# Altium PCB 控制板.PcbDoc (part 1 of 12) (continued)
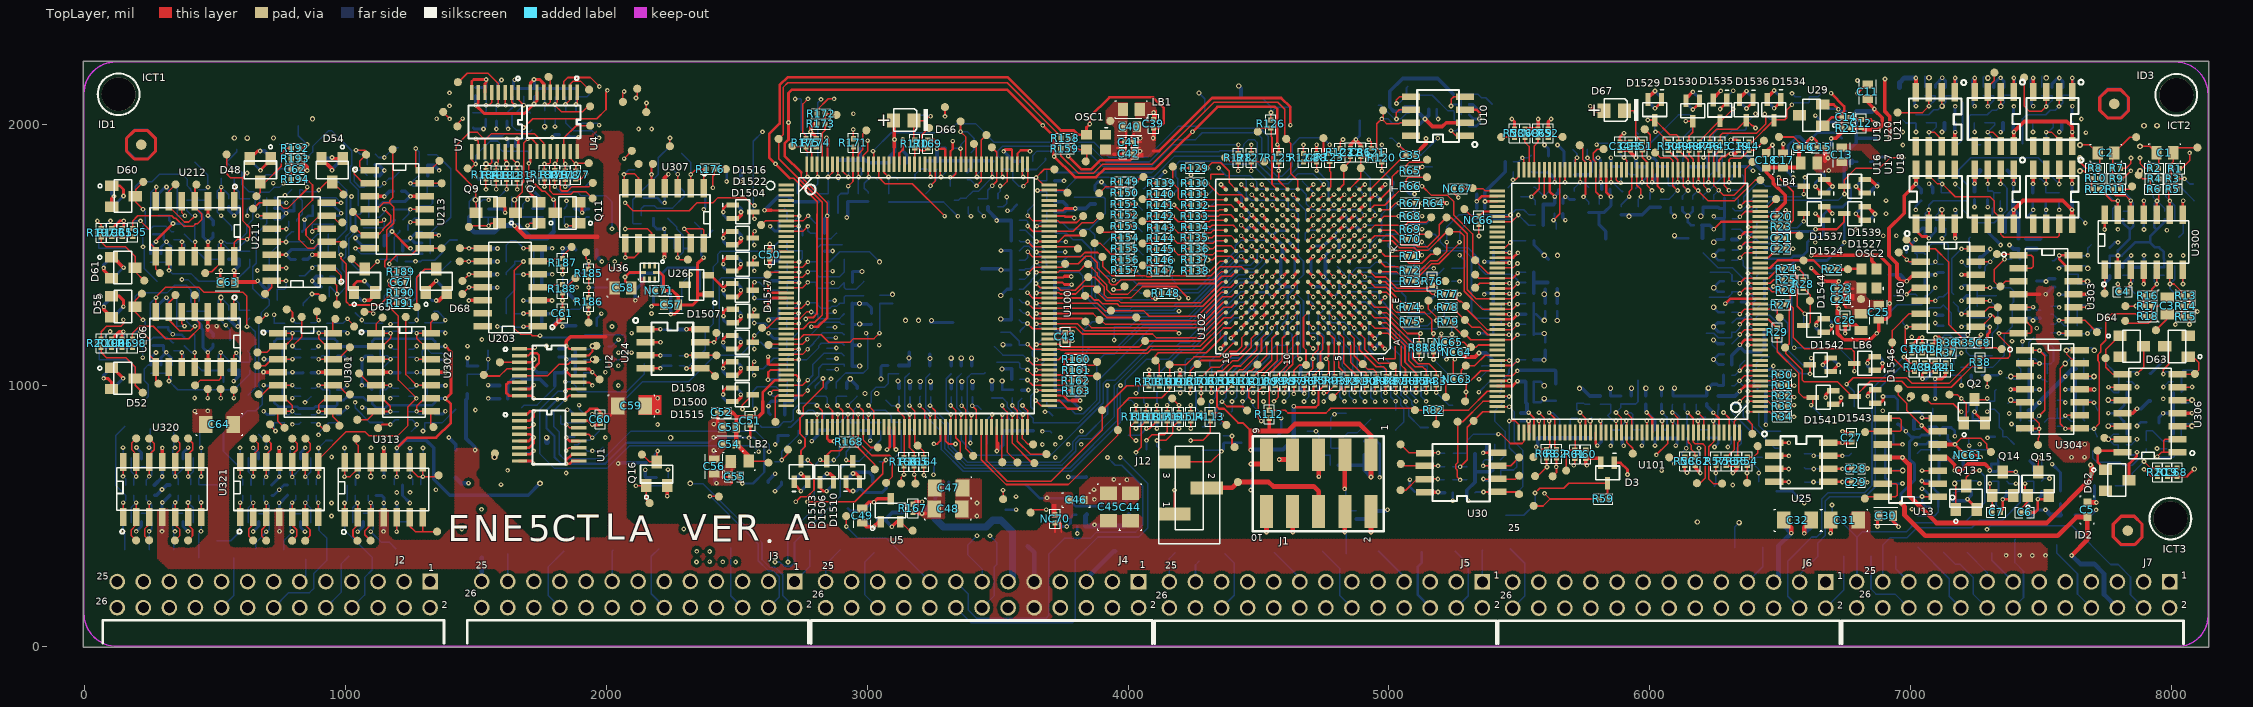
[diagram p0: TopLayer view]
## Components (designator, comment, footprint, x,y, rotation, side; value= is the part's Value field where it differs from the comment) (continued)
C353 "2.2nF" C0402 2661.5,1064.6 r0 bottom
C354 "2.2nF" C0402 2660.3,1180.5 r0 bottom
C355 "2.2nF" C0402 2660.7,1255.5 r0 bottom
C356 "2.2nF" C0402 2661.5,1294.2 r0 bottom
C357 "2.2nF" C0402 2661.9,1401.7 r0 bottom
C358 "120nH" C0603 2416.5,660.9 r90 bottom
C359 "1nF" C0402 2192.8,616.3 r90 bottom
C360 "24PF" C0402 2247.8,1075.9 r0 bottom
C361 "24PF" C0402 2247.4,1115 r0 bottom
C362 "100nF" C0402 2246.9,1214.6 r0 bottom
C363 "100nF" C0402 2180.7,1379.6 r0 bottom
C364 "6.8uF" C1206 2112.8,1262.1 r0 bottom
C365 "100nF" C0402 2263.2,1525.5 r0 bottom
C366 "100nF" C0402 2223.2,1535 r90 bottom
C367 "1uF" "C0603 - duplicate" 2235.7,1641.7 r180 bottom
C368 "100nF" C0402 2223.6,1771.3 r270 bottom
C369 "100PF" C0402 2183.6,1720.9 r270 bottom
C370 "10uF" C0603 2461.5,1825.9 r0 bottom
C371 "1nF" C0402 1876.9,773 r90 bottom
C372 "1nF" C0402 1876.9,858.4 r90 bottom
C373 "1nF" C0402 1912.4,1049.2 r180 bottom
C374 "1nF" C0402 1912.8,1099.6 r180 bottom
C375 "1nF" C0402 1912.4,1139.6 r180 bottom
C376 "1nF" C0402 1803.2,1049.6 r180 bottom
C377 "100nF" C0402 1816.9,1140.5 r270 bottom
C378 "100nF" C0402 1691.9,739.6 r270 bottom
C379 "100nF" C0402 1692.4,989.6 r270 bottom
C380 "6.8uF" C1206 1421.9,646.7 r0 bottom
C381 "51PF" C0402 1832.4,1455 r90 bottom
C382 "1nF" C0402 1933.6,1646.3 r90 bottom
C383 "100nF" C0402 1721.9,1325.5 r0 bottom
C384 "100PF" C0402 1721.9,1425.9 r0 bottom
C385 "100PF" C0402 1722.8,1525.9 r0 bottom
C386 "9.09K" C0402 1647.8,1475.5 r180 bottom
C387 "1nF" C0402 1717.8,1678.4 r270 bottom
C388 "1nF" C0402 1583.2,1677.5 r270 bottom
C389 "10nF" C0402 1883.2,1822.5 r270 bottom
C390 "10nF" C0402 1843.2,1823 r270 bottom
C391 "10nF" C0402 1803.2,1823.4 r270 bottom
C392 "10nF" C0402 1762.8,1823 r270 bottom
C393 "1nF" C0402 1658.2,1823.4 r270 bottom
C394 "10nF" C0402 1618.2,1823 r270 bottom
C395 "10nF" C0402 1577.8,1823.8 r270 bottom
C396 "1nF" C0402 1538.2,1823.8 r270 bottom
C397 "100nF" C0402 1819.4,1961.7 r0 bottom
C398 "100nF" C0402 1622.4,1917.1 r0 bottom
C399 "10nF" C0402 1884,2107.5 r90 bottom
C400 "10nF" C0402 1843.6,2107.1 r90 bottom
C401 "10nF" C0402 1803.6,2107.1 r90 bottom
C402 "10nF" C0402 1763.6,2106.7 r90 bottom
C403 "100nF" C0402 1724,2108 r90 bottom
C404 "1nF" C0402 1683.6,2108.8 r90 bottom
C405 "1nF" C0402 1643.6,2108.4 r90 bottom
C406 "1nF" C0402 1583.6,2109.2 r90 bottom
C407 "1nF" C0402 1539,2111.7 r90 bottom
C408 "100nF" C0402 1498.6,2111.3 r90 bottom
C409 "100nF" C0402 1147.8,478.4 r90 bottom
C410 "1nF" C0402 1218.2,618.8 r180 bottom
C411 "51PF" C0402 1117.8,578.8 r180 bottom
C412 "51PF" C0402 1028.2,513.8 r180 bottom
C413 "10nF" C0402 1247.8,719.6 r270 bottom
C414 "100nF" C0402 1147.8,718.8 r270 bottom
C415 "10nF" C0402 1343.2,890.5 r270 bottom
C416 "10nF" C0402 1342.8,1208.4 r90 bottom
C417 "1nF" C0402 1344,999.2 r180 bottom
C418 "100nF" C0402 1343.6,1048.8 r180 bottom
C419 "1nF" C0402 1343.6,1099.2 r180 bottom
C420 "100nF" C0402 1238.2,1049.6 r180 bottom
C421 "1nF" C0402 1133.2,984.2 r180 bottom
C422 "1nF" C0402 1134,1113.8 r180 bottom
C423 "10nF" C0402 1102.8,889.6 r270 bottom
C424 "10nF" C0402 1103.2,1208.8 r90 bottom
C425 "10nF" C0402 967.4,857.5 r90 bottom
C426 "51PF" C0402 897.8,513.8 r180 bottom
C427 "51PF" C0402 898.6,683.4 r180 bottom
C428 "51PF" C0402 808.6,579.2 r180 bottom
C429 "51PF" C0402 717.4,578.4 r180 bottom
C430 "51PF" C0402 807.8,618.8 r180 bottom
C431 "51PF" C0402 716.9,618.8 r180 bottom
C432 "51PF" C0402 627.4,513.8 r180 bottom
C433 "100nF" C0402 747.4,508.8 r270 bottom
C434 "100nF" C0402 747.4,718.8 r270 bottom
C435 "51PF" C0402 596.9,683.8 r0 bottom
C436 "51PF" C0402 415.7,513 r0 bottom
C437 "51PF" C0402 416.5,683.8 r0 bottom
C438 "51PF" C0402 326.5,579.2 r0 bottom
C439 "51PF" C0402 326.5,618.8 r0 bottom
C440 "100nF" C0402 296.9,478.4 r90 bottom
C441 "51PF" C0402 178.2,513.8 r180 bottom
C442 "51PF" C0402 267.8,578.8 r180 bottom
C443 "51PF" C0402 267.4,618.4 r180 bottom
C444 "100nF" C0402 296.9,718 r270 bottom
C445 "51PF" C0402 146.9,683 r0 bottom
C446 "6.8uF" C1206 1060.7,1048.8 r90 bottom
C447 "1nF" C0402 936.9,984.2 r0 bottom
C448 "1nF" C0402 937.8,1113.4 r0 bottom
C449 "10nF" C0402 967.4,1208.4 r90 bottom
C450 "10nF" C0402 726.9,857.5 r90 bottom
C451 "100nF" C0402 867.8,1049.2 r180 bottom
C452 "1nF" C0402 758.2,999.2 r180 bottom
C453 "100nF" C0402 757.4,1048.4 r180 bottom
C454 "1nF" C0402 758.6,1098.8 r180 bottom
C455 "10nF" C0402 726.9,1238.8 r270 bottom
C456 "100nF" C0402 492.4,1158.4 r90 bottom
C457 "100PF" C0402 452.4,1154.2 r180 bottom
C458 "51PF" C0402 432.4,1284.6 r270 bottom
C459 "100PF" C0402 332.4,1048 r90 bottom
C460 "51PF" C0402 302.4,1153 r90 bottom
C461 "51PF" C0402 142.8,1142.5 r90 bottom
C462 "100PF" C0402 352.8,1264.6 r180 bottom
C463 "100PF" C0402 282.8,1264.2 r180 bottom
C464 "9.09K" C0402 1324.4,1505.5 r180 bottom
C465 "100PF" C0402 1324.4,1585.9 r180 bottom
C466 "51PF" C0402 1229.4,1395 r180 bottom
C467 "51PF" C0402 1218.6,1554.6 r180 bottom
C468 "9.09K" C0402 1219.4,1635 r180 bottom
C469 "100PF" C0402 1218.6,1705.9 r270 bottom
C470 "100nF" C0402 1182.8,1745 r0 bottom
C471 "9.09K" C0402 1148.2,1504.6 r90 bottom
C472 "9.09K" C0402 1148.2,1574.6 r90 bottom
C473 "100PF" C0402 1107.8,1504.6 r90 bottom
C474 "100PF" C0402 1108.2,1574.6 r90 bottom
C475 "51PF" C0402 1119,1685.5 r180 bottom
C476 "51PF" C0402 933.2,1539.6 r180 bottom
C477 "100nF" C0402 839,1483.8 r180 bottom
C478 "100PF" C0402 913.6,1650.5 r270 bottom
C479 "100PF" C0402 914,1720 r270 bottom
C480 "100PF" C0402 802.8,1521.3 r90 bottom
C481 "51PF" C0402 833.6,1670 r180 bottom
C482 "51PF" C0402 823.6,1830.9 r180 bottom
C483 "100PF" C0402 728.6,1639.6 r180 bottom
C484 "100nF" C0402 492.4,1615.9 r270 bottom
C485 "100PF" C0402 421.9,1580 r0 bottom
C486 "51PF" C0402 432.4,1680 r90 bottom
C487 "100PF" C0402 354,1690.5 r180 bottom
C488 "100PF" C0402 283.2,1690.5 r180 bottom
C489 "9.09K" C0402 353.6,1650.5 r180 bottom
C490 "9.09K" C0402 283.6,1650.5 r180 bottom
C491 "9.09K" C0402 382.4,1610.9 r270 bottom
C492 "51PF" C0402 302.4,1610.9 r270 bottom
C493 "100PF" C0402 331.5,1505.5 r270 bottom
C494 "9.09K" C0402 251.9,1504.6 r270 bottom
C495 "51PF" C0402 143.2,1600 r270 bottom
C496 "100nF" C0402 4930.7,518.8 r270 bottom
C497 "220nH" C0603 6874.9,504.2 r0 bottom
C498 "6.8uF" C1206 6515.3,485 r270 bottom
D3 "BAT54SWT1G" SOT-323 5864.4,703.8 r180 top
D48 "LBAV199LT1G52" SOT23-3 713.2,1870 r180 top
D52 "LBAV199LT1G52" SOT23-3 102.8,1067.5 r270 top
D54 "LBAV199LT1G52" SOT23-3 988.6,1869.6 r180 top
D55 "LBAV199LT1G52" SOT23-3 103.2,1343 r270 top
D60 "LBAV199LT1G52" SOT23-3 103.6,1766.3 r270 top
D61 "LBAV199LT1G52" SOT23-3 102.8,1492.5 r270 top
D62 "LBAV199LT1G52" SOT23-3 7747.8,677.5 r270 top
D63 "LBAV199LT1G52" SOT23-3 8064.9,1110 r90 top
D64 "LBAV199LT1G52" SOT23-3 7804,1190.5 r270 top
D65 "LBAV199LT1G52" SOT23-3 1032.4,1356.3 r0 top
D66 "坏" LED0805 3100.3,2015.9 r0 top
D67 "发黄绿" LED0805 5824.9,2053.4 r0 top
D68 "LBAV199LT1G52" SOT23-3 1307.8,1356.3 r0 top
D69 "黄绿色光" LED0805 4433.2,2104.2 r0 bottom
D1500 "BAT54SWT1G" SOT-323 2482.4,1091.3 r270 top
D1504 "BAT54SWT1G" SOT-323 2483,1491.3 r270 top
D1506 "BAT54SWT1G" SOT-323 2819,630 r0 top
D1507 "BAT54SWT1G" SOT-323 2483.6,1292.1 r270 top
D1508 "BAT54SWT1G" SOT-323 2482.8,1192.1 r270 top
D1510 "BAT54SWT1G" SOT-323 2919,630.9 r0 top
D1513 "BAT54SWT1G" SOT-323 2720.3,630.5 r0 top
D1515 "BAT54SWT1G" SOT-323 2482.4,990.9 r270 top
D1516 "BAT54SWT1G" SOT-323 2483.6,1691.7 r270 top
D1517 "BAT54SWT1G" SOT-323 2482.4,1391.3 r270 top
D1522 "BAT54SWT1G" SOT-323 2483,1591.1 r270 top
D1524 "BAT54SWT1G" SOT-323 6669.4,1633.4 r90 top
D1527 "BAT54SWT1G" SOT-323 6824.4,1633.4 r90 top
D1529 "BAT54SWT1G" SOT-323 6045.7,2096.7 r180 top
D1530 "BAT54SWT1G" SOT-323 6190.9,2091.9 r180 top
D1534 "BAT54SWT1G" SOT-323 6502.4,2096.7 r180 top
D1535 "BAT54SWT1G" SOT-323 6295.3,2094.8 r180 top
D1536 "BAT54SWT1G" SOT-323 6396.3,2095.7 r180 top
D1537 "BAT54SWT1G" SOT-323 6669.4,1738 r90 top
D1539 "BAT54SWT1G" SOT-323 6824.4,1738.4 r90 top
D1541 "BAT54SWT1G" SOT-323 6704,928.4 r90 top
D1542 "BAT54SWT1G" SOT-323 6693.6,1053.8 r90 top
D1543 "BAT54SWT1G" SOT-323 6864.9,932.1 r90 top
D1544 "BAT54SWT1G" SOT-323 6667.8,1204.6 r90 top
D1546 "BAT54SWT1G" SOT-323 6863.6,1058.8 r90 top
ICT1 "Mark" DIP1 129.9,2116.7 r0 top
ICT2 "Mark" DIP1 8019.4,2114.6 r0 top
ICT3 "Mark" DIP1 7996.5,490 r0 top
ID1 "Mark" SMD1#1 216.5,1923.4 r270 top
ID2 "Mark" SMD1#1 7832.8,443.8 r0 top
ID3 "Mark" SMD1#1 7781.1,2080 r0 top
ID4 "Mark" SMD1#1 7779.9,2081.7 r0 bottom
ID5 "Mark" SMD1#1 7832.8,443.8 r0 bottom
ID6 "Mark" SMD1#1 215.3,1925 r0 bottom
J1 "CON10" SMD2.54-10P 4931.9,734.2 r0 top
J2 "HEADER 20" DIP26-2.54#1 1324.4,248.4 r0 top
J3 "HEADER 20" DIP26-2.54#1 2721.9,248.8 r0 top
J4 "HEADER 20" DIP26-2.54#1 4040.3,248 r0 top
J5 "HEADER 20" DIP26-2.54#1 5358.6,247.5 r0 top
J6 "HEADER 20" DIP26-2.54#1 6674.9,246.7 r0 top
J7 "HEADER 20" DIP26-2.54#2 7993.6,247.5 r0 top
J12 "CON3" SMD3P 4176.9,506.7 r0 top
LB1 "560nH" C0805#1 3980.7,2058.8 r0 top
LB2 "680nH" C0805#2 2476.9,709.6 r0 top
LB4 "680nH" C0805#3 6578.6,1853.4 r0 top
LB6 "680nH" C0805#3 6809.9,1210.9 r90 top
NC1 "NC" C0402 2108.2,1430 r0 bottom
NC2 "NC" R0402#1 2182.8,1430 r0 bottom
NC3 "NC" R0402#1 2973.2,1833.4 r90 bottom
NC4 "NC" R0402#1 3082.8,1703.8 r90 bottom
NC5 "NC" R0402#1 2811.5,1704.2 r90 bottom
NC6 "NC" R0402#1 3120.7,1045.9 r90 bottom
NC7 "NC" R0402#1 3478.2,952.1 r90 bottom
NC8 "NC" R0402#1 3597.4,826.3 r90 bottom
NC9 "NC" R0402#1 3719.9,1666.7 r180 bottom
NC10 "NC" R0402#1 3719.4,1625.9 r180 bottom
NC11 "NC" R0402#1 3501.5,1716.3 r270 bottom
NC12 "NC" R0402#1 3841.7,536.7 r270 bottom
NC13 "NC" R0402#1 4471.9,669.4 r270 bottom
NC14 "NC" R0402#1 4731.5,764.6 r270 bottom
NC15 "NC" R0402#1 4775.3,694.6 r0 bottom
NC16 "NC" R0402#1 4835.3,488.4 r90 bottom
NC17 "NC" R0402#1 4875.7,488.4 r90 bottom
NC18 "NC" R0402#1 5246.1,739.6 r180 bottom
NC19 "NC" R0402#1 5245.7,688.8 r180 bottom
NC20 "NC" R0402#1 5244.4,639.6 r180 bottom
NC21 "NC" R0402#1 5245.7,589.2 r180 bottom
NC22 "NC" R0402#1 5330.3,589.2 r180 bottom
NC23 "NC" R0402#1 5330.3,638.8 r180 bottom
NC24 "NC" R0402#1 5330.3,689.6 r180 bottom
NC25 "NC" R0402#1 5330.7,738.8 r180 bottom
NC26 "NC" R0402#1 5405.3,774.6 r180 bottom
NC27 "NC" R0402#1 5427.8,715 r180 bottom
NC28 "NC" R0402#1 5429,675.9 r180 bottom
NC29 "NC" R0402#1 5429.4,635.9 r180 bottom
NC30 "NC" R0402#1 5428.6,591.7 r180 bottom
NC31 "NC" R0402#1 5934.4,830 r270 bottom
NC32 "NC" R0402#1 5855.3,829.6 r270 bottom
NC33 "NC" R0402#1 5810.1,960 r270 bottom
NC34 "NC" R0402#1 5929.9,960.5 r270 bottom
NC35 "NC" R0402#1 6040.7,1715 r270 bottom
NC36 "" R0402#1 6792.4,2050.9 r270 bottom
NC37 "NC" R0402#1 7414.4,1603.6 r0 bottom
NC38 "NC" R0402#1 7413.6,1563.8 r0 bottom
NC39 "NC" R0402#1 6903.6,674.2 r0 bottom
NC40 "NC" R0402#1 6903.6,774.2 r0 bottom
NC41 "NC" R0402#1 7013.6,868.8 r90 bottom
NC42 "NC" R0402#1 7013.6,802.1 r90 bottom
NC43 "NC" R0402#1 7142.8,810 r180 bottom
NC44 "NC" R0402#1 7109.4,753.8 r180 bottom
NC45 "NC" R0402#1 7109,714.2 r180 bottom
NC46 "NC" R0402#1 7109.9,674.2 r180 bottom
NC47 "NC" R0402#1 7107.4,632.5 r180 bottom
NC48 "" R0402#1 7105.3,572.1 r180 bottom
NC49 "NC" R0402#1 7105.7,534.6 r180 bottom
NC50 "NC" C0402 3805.9,461.1 r0 bottom
NC51 "NC" C0402 4776.1,733.4 r90 bottom
NC52 "NC" C0402 6934.4,724.6 r180 bottom
NC53 "NC" C0402 7233.6,714.6 r180 bottom
NC54 "NC" C0402 7444.9,1644.2 r180 bottom
NC55 "NC" C0402 6832.8,2052.1 r270 bottom
NC56 "NC" C0201 4668.6,1075.5 r0 bottom
NC57 "NC" C0603 5099,593 r0 bottom
NC58 "NC" R0402#1 6264,960 r270 bottom
NC59 "NC3" "SOT23-3 - duplicate" 7509.9,1562.5 r90 bottom
NC60 "NC3" "SOT23-3 - duplicate" 3731.1,567.5 r270 bottom
NC61 "NC" R0402#1 7204.9,732.5 r0 top
NC62 "NC" R0402#1 6174.4,694 r90 top
NC63 "NC" R0402#1 5277.6,1025 r180 top
NC64 "NC" R0402#1 5275.1,1128.2 r180 top
NC65 "NC" R0402#1 5243.2,1166.7 r180 top
NC66 "NC" R0402#1 5345.3,1649.2 r270 top
NC67 "NC" R0402#1 5248.2,1755 r0 top
NC68 "NC" R0402#1 5521.7,1952.1 r90 top
NC69 "NC" R0402#1 5571.9,1951.9 r90 top
NC70 "NC" R0402#1 3720.3,473.8 r90 top
NC71 "NC" R0402#1 2219,1364.2 r180 top
OSC1 "12.000MHZ" SMD2.0-4P 3914,1961.7 r0 top
OSC2 "12.000MHZ" SMD2.0-4P 6869.4,1374.2 r270 top
Q1B "LMBT4401LT1G" SOT23-3 7786.1,616.3 r180 bottom
Q2 "LMBT4401LT1G" SOT23-3 7204.9,856.3 r0 top
Q2B "BAT54SWT1G" SOT-323 6864.4,1110 r270 bottom
Q3B "BAT54SWT1G" SOT-323 6694.6,1104.8 r270 bottom
Q4B "BAT54SWT1G" SOT-323 6669.4,1255.9 r270 bottom
Q5B "BAT54SWT1G" SOT-323 6825.3,1685 r270 bottom
Q6B "BAT54SWT1G" SOT-323 6824.9,1790 r270 bottom
Q7B "BAT54SWT1G" SOT-323 6670.3,1789.6 r270 bottom
Q8B "BAT54SWT1G" SOT-323 6450.3,2100 r0 bottom
Q9 "LMBT4401LT1G" SOT23-3 1590.7,1622.5 r90 top
Q9B "BAT54SWT1G" SOT-323 6344.4,2097.5 r0 bottom
Q10 "LMBT4401LT1G" SOT23-3 1742.4,1622.5 r90 top
Q10B "BAT54SWT1G" SOT-323 6139.4,2094.6 r0 bottom
Q11 "LMBT4401LT1G" SOT23-3 1894,1621.7 r90 top
Q11B "BAT54SWT1G" SOT-323 5993.6,2098.4 r0 bottom
Q12B "BAT54SWT1G" SOT-323 4513.2,805.9 r270 bottom
Q13 "LMBT4401LT1G" SOT23-3 7173.2,524.6 r0 top
Q13B "BAT54SWT1G" SOT-323 3873.2,1747.5 r270 bottom
Q14 "LMBT4401LT1G" SOT23-3 7313.6,579.2 r0 top
Q14B "BAT54SWT1G" SOT-323 3072.8,629.6 r180 bottom
Q15 "LMBT4401LT1G" SOT23-3 7449.4,579.2 r0 top
Q15B "BAT54SWT1G" SOT-323 2971.9,629.2 r180 bottom
Q16 "LMBT4401LT1G" SOT23-3 2152.8,617.1 r0 top
Q16B "BAT54SWT1G" SOT-323 2871.5,629.2 r180 bottom
Q17B "BAT54SWT1G" SOT-323 2771.9,629.2 r180 bottom
Q18B "BAT54SWT1G" SOT-323 2671.9,629.2 r180 bottom
Q19B "BAT54SWT1G" SOT-323 2482.4,938.8 r90 bottom
Q20B "BAT54SWT1G" SOT-323 2482.8,1038.4 r90 bottom
Q21B "BAT54SWT1G" SOT-323 2482.4,1139.6 r90 bottom
Q22B "BAT54SWT1G" SOT-323 2482.8,1239.6 r90 bottom
Q23B "BAT54SWT1G" SOT-323 2483.2,1339.2 r90 bottom
Q24B "BAT54SWT1G" SOT-323 2483.6,1439.6 r90 bottom
Q25B "BAT54SWT1G" SOT-323 2483.6,1539.6 r90 bottom
Q26B "BAT54SWT1G" SOT-323 2483.6,1639.2 r90 bottom
Q27B "LMBT4401LT1G" SOT23-3 2298.2,1715 r0 bottom
Q28B "LBAV199LT1G52" SOT23-3 1963.2,1229.6 r180 bottom
Q29B "LBAV199LT1G52" SOT23-3 1882.8,1520.5 r0 bottom
Q30B "LBAV199LT1G52" SOT23-3 1389,1355 r180 bottom
Q31B "LBAV199LT1G52" SOT23-3 1113.6,1354.6 r180 bottom
Q32B "LBAV199LT1G52" SOT23-3 908.6,1870.5 r0 bottom
Q33B "LBAV199LT1G52" SOT23-3 631.9,1870 r0 bottom
Q34B "LBAV199LT1G52" SOT23-3 102.4,983 r90 bottom
Q35B "LBAV199LT1G52" SOT23-3 102.8,1258.4 r90 bottom
Q36B "LBAV199LT1G52" SOT23-3 102.8,1409.2 r90 bottom
Q37B "LBAV199LT1G52" SOT23-3 103.6,1685.5 r90 bottom
Q38B "BAT54SWT1G" SOT-323 4906.1,785.9 r270 bottom
R1 "2.2K" R0402#1 8030.9,1832.1 r180 top
R2 "2.2K" R0402#1 7951.1,1832.5 r180 top
R3 "2.2K" R0402#1 8021.9,1792.5 r180 top
R4 "2.2K" R0402#1 7951.5,1792.1 r180 top
R5 "2.2K" R0402#1 8021.1,1753 r180 top
R6 "2.2K" R0402#1 7951.1,1753 r180 top
R7 "2.2K" R0402#1 7805.5,1833.2 r180 top
R8 "2.2K" R0402#1 7724.9,1833.4 r180 top
R9 "2.2K" R0402#1 7806.1,1793.4 r180 top
R10 "2.2K" R0402#1 7725.3,1793.8 r180 top
R11 "2.2K" R0402#1 7805.3,1753 r180 top
R12 "2.2K" R0402#1 7725.3,1753.4 r180 top
R13 "2.2K" R0402#1 8070.3,1344.2 r180 top
R14 "2.2K" R0402#1 8070.7,1304.2 r180 top
R15 "2.2K" R0402#1 8070.3,1263.8 r180 top
R16 "2.2K" R0402#1 7924.9,1344.6 r180 top
R17 "2.2K" R0402#1 7925.3,1304.6 r180 top
R18 "2.2K" R0402#1 7924.9,1265 r180 top
R19 "10K" R0402#1 7984.9,683.4 r270 top
R20 "1K" R0402#1 7947.4,683.4 r270 top
R21 "1K" R0402#1 6737.6,1987.1 r0 top
R22 "33Ω" R0402#1 6683.6,1445 r0 top
R23 "1K" R0402#1 6489.4,1608 r0 top
R24 "100Ω" R0402#1 6508.6,1445.5 r0 top
R25 "100Ω" R0402#1 6509,1405.5 r0 top
R26 "100Ω" R0402#1 6508.6,1365 r0 top
R27 "100Ω" R0402#1 6488.6,1310.5 r0 top
R28 "100Ω" R0402#1 6589,1373.4 r90 top
R29 "100Ω" R0402#1 6489,1188.4 r90 top
R30 "10K" R0402#1 6524.4,1040.5 r180 top
R31 "33Ω" R0402#1 6524,1000.9 r180 top
R32 "33Ω" R0402#1 6524.4,960.5 r180 top
R33 "33Ω" R0402#1 6524.4,920.5 r180 top
R34 "33Ω" R0402#1 6524.6,879.8 r180 top
R35 "100Ω" R0402#1 7225.7,1165 r180 top
R36 "3.3K" R0402#1 7156.1,1164.6 r180 top
R37 "51.1K" R0402#1 7155.3,1125 r180 top
R38 "100Ω" R0402#1 7266.9,1104.6 r270 top
R39 "10K" R0402#1 7084.9,1155.5 r270 top
R40 "18.7K" R0402#1 7044.9,1156.1 r270 top
R41 "470K" R0402#1 7134.9,1085.5 r270 top
R42 "470K" R0402#1 7094.9,1085.5 r270 top
R43 "10K" R0402#1 7014.9,1085.9 r270 top
R44 "100Ω" R0402#1 6380.3,1933.4 r270 top
R45 "100Ω" R0402#1 6270.7,1933.6 r270 top
R46 "100Ω" R0402#1 6230.9,1933.6 r270 top
R47 "100Ω" R0402#1 6191.1,1933.8 r270 top
R48 "102Ω" R0402#1 6150.9,1933.2 r270 top
R49 "100Ω" R0402#1 6111.1,1933.6 r270 top
R50 "100Ω" R0402#1 6071.5,1933.2 r270 top
R51 "1K" R0402#1 5971.5,1933.8 r270 top
R52 "4.75K" R0402#1 5611.3,1983 r270 top
R53 "4.75K" R0402#1 5481.5,1982.8 r270 top
R54 "33Ω" R0402#1 6373.8,725.3 r270 top
R55 "4.75K" R0402#1 6334.2,725.7 r270 top
R56 "4.75K" R0402#1 6293.8,725.3 r270 top
R57 "33Ω" R0402#1 6254,725.5 r270 top
R58 "10K" R0402#1 6134.6,725.3 r270 top
R59 "100Ω" R0402#1 5807.1,565 r0 top
R60 "4.75K" R0402#1 5755.1,721.5 r90 top
R61 "33Ω" R0402#1 5712.6,721.5 r90 top
R62 "33Ω" R0402#1 5642.8,722.5 r90 top
R63 "33Ω" R0402#1 5604.4,722.5 r90 top
R64 "10K" R0402#1 5187.6,1699.6 r180 top
R65 "33Ω" R0402#1 5097.8,1823.8 r180 top
R66 "33Ω" R0402#1 5098,1764.2 r180 top
R67 "100Ω" R0402#1 5097.8,1699.6 r180 top
R68 "100Ω" R0402#1 5097.6,1649.4 r180 top
R69 "33Ω" R0402#1 5097.4,1599.8 r180 top
R70 "33Ω" R0402#1 5097.8,1560 r180 top
R71 "33Ω" R0402#1 5097.6,1495.5 r180 top
R72 "33Ω" R0402#1 5097.6,1440.3 r180 top
R73 "33Ω" R0402#1 5097.4,1400.3 r180 top
R74 "100Ω" R0402#1 5065.7,1300.5 r0 top
R75 "100Ω" R0402#1 5065.7,1245.5 r0 top
R76 "100Ω" R0402#1 5166.3,1384.2 r90 top
R77 "33Ω" R0402#1 5242.1,1349.8 r180 top
R78 "33Ω" R0402#1 5241.5,1300.5 r180 top
R79 "33Ω" R0402#1 5242.4,1245.5 r180 top
R80 "100Ω" R0402#1 5171.1,1161.1 r270 top
R81 "100Ω" R0402#1 5115.9,1160.5 r270 top
R82 "33Ω" R0402#1 5155.7,905.3 r0 top
R83 "100Ω" R0402#1 5181.7,1001.7 r90 top
R84 "100Ω" R0402#1 5143,1001.7 r90 top
R85 "100Ω" R0402#1 5104.2,1001.5 r90 top
R86 "100Ω" R0402#1 5063.8,1000.9 r90 top
R87 "100Ω" R0402#1 5025.7,1001.7 r90 top
R88 "100Ω" R0402#1 4989.9,1002.1 r90 top
R89 "100Ω" R0402#1 4951.9,1000.7 r90 top
R90 "100Ω" R0402#1 4913.6,1000.9 r90 top
R91 "100Ω" R0402#1 4876.5,1001.5 r90 top
R92 "100Ω" R0402#1 4839.9,1000.7 r90 top
R93 "100Ω" R0402#1 4793.6,1002.3 r90 top
R94 "10K" R0402#1 4754.6,1002.8 r90 top
R95 "100Ω" R0402#1 4715.3,1003 r90 top
R96 "1K" R0402#1 4675.3,1001.3 r90 top
R97 "100Ω" R0402#1 4636.3,1000.5 r90 top
R98 "100Ω" R0402#1 4600.3,1000.9 r90 top
R99 "100Ω" R0402#1 4564.2,1000.3 r90 top
R100 "100Ω" R0402#1 4519.2,999.6 r90 top
R101 "100Ω" R0402#1 4479,1000.7 r90 top
R102 "100Ω" R0402#1 4438.8,1000.7 r90 top
R103 "100Ω" R0402#1 4398.4,1000.5 r90 top
R104 "10K" R0402#1 4360.3,1000.5 r90 top
R105 "100Ω" R0402#1 4319.9,1000.7 r90 top
R106 "100Ω" R0402#1 4279.9,1000 r90 top
R107 "100Ω" R0402#1 4239,999.6 r90 top
R108 "4.75K" R0402#1 4199.2,999.8 r90 top
R109 "33Ω" R0402#1 4159.4,999.6 r90 top
R110 "33Ω" R0402#1 4120.5,999.2 r90 top
R111 "4.75K" R0402#1 4080.7,999.6 r90 top
R112 "10K" R0402#1 4541.1,874.4 r90 top
R113 "100Ω" R0402#1 4315.7,864.4 r90 top
R114 "100Ω" R0402#1 4240.3,864.4 r90 top
R115 "100Ω" R0402#1 4194.9,864.4 r90 top
R116 "100Ω" R0402#1 4150.1,864.2 r90 top
R117 "100Ω" R0402#1 4110.3,864.4 r90 top
R118 "100Ω" R0402#1 4070.1,864.2 r90 top
R119 "100Ω" R0402#1 4030.5,864 r90 top
R120 "1K" R0402#1 4972.6,1889 r270 top
R121 "100Ω" R0402#1 4932.8,1908.8 r270 top
R122 "100Ω" R0402#1 4813,1909.2 r270 top
R123 "33Ω" R0402#1 4773.2,1890 r270 top
R124 "33Ω" R0402#1 4672.6,1889.4 r270 top
R125 "4.75K" R0402#1 4577.6,1889.6 r270 top
R126 "1K" R0402#1 4547.4,2018.4 r270 top
R127 "33Ω" R0402#1 4472.6,1889.2 r270 top
R128 "33Ω" R0402#1 4422.4,1889 r270 top
R129 "100Ω" R0402#1 4241.1,1834 r0 top
R130 "100Ω" R0402#1 4242.8,1776.3 r0 top
R131 "100Ω" R0402#1 4242.6,1733.4 r0 top
R132 "100Ω" R0402#1 4242.4,1691.5 r0 top
R133 "100Ω" R0402#1 4240.9,1649.6 r0 top
R134 "100Ω" R0402#1 4241.5,1607.8 r0 top
R135 "100Ω" R0402#1 4240.9,1566.3 r0 top
R136 "100Ω" R0402#1 4241.9,1524.2 r0 top
R137 "100Ω" R0402#1 4242.6,1482.1 r0 top
R138 "100Ω" R0402#1 4243,1440.5 r0 top
R139 "100Ω" R0402#1 4110.9,1775.5 r0 top
R140 "100Ω" R0402#1 4110.5,1733.2 r0 top
R141 "100Ω" R0402#1 4110.5,1691.5 r0 top
R142 "100Ω" R0402#1 4110.7,1648.8 r0 top
R143 "100Ω" R0402#1 4110.9,1605.7 r0 top
R144 "100Ω" R0402#1 4110.7,1564.2 r0 top
R145 "100Ω" R0402#1 4110.1,1522.1 r0 top
R146 "100Ω" R0402#1 4110.3,1480.3 r0 top
R147 "100Ω" R0402#1 4110.1,1440.3 r0 top
R148 "10K" R0402#1 4129.2,1353.8 r0 top
R149 "100Ω" R0402#1 3970.9,1781.1 r0 top
R150 "100Ω" R0402#1 3971.7,1738.4 r0 top
R151 "102Ω" R0402#1 3972.6,1695.5 r0 top
R152 "100Ω" R0402#1 3972.4,1654.2 r0 top
R153 "100Ω" R0402#1 3972.1,1611.1 r0 top
R154 "102Ω" R0402#1 3973.2,1567.3 r0 top
R155 "100Ω" R0402#1 3973.2,1525 r0 top
R156 "100Ω" R0402#1 3973.2,1483.2 r0 top
R157 "100Ω" R0402#1 3973.4,1441.3 r0 top
R158 "33Ω" R0402#1 3742.8,1948.4 r0 top
R159 "33Ω" R0402#1 3742.4,1908.8 r0 top
R160 "33Ω" R0402#1 3817.8,1100.7 r180 top
R161 "33Ω" R0402#1 3817.4,1058.4 r180 top
R162 "33Ω" R0402#1 3816.1,1018.4 r180 top
R163 "33Ω" R0402#1 3816.5,980 r180 top
R164 "33Ω" R0402#1 3216.9,723.8 r270 top
R165 "33Ω" R0402#1 3179.9,723.4 r270 top
R166 "33Ω" R0402#1 3140.7,723.8 r270 top
R167 "270Ω" R0402#1 3175.3,545 r270 top
R168 "100Ω" R0402#1 2914.9,784.6 r0 top
R169 "4.75K" R0402#1 3232.4,1910.5 r90 top
R170 "1K" R0402#1 3182.4,1910.5 r90 top
R171 "33Ω" R0402#1 2946.9,1915 r90 top
R172 "33Ω" R0402#1 2807.4,2042.5 r0 top
R173 "4.75K" R0402#1 2806.9,2003 r0 top
R174 "4.75K" R0402#1 2804.4,1915 r90 top
R175 "33Ω" R0402#1 2764.9,1915 r90 top
R176 "100Ω" R0402#1 2413.6,1830 r180 top
R177 "15K" R0402#1 1882.8,1823 r270 top
R178 "15K" R0402#1 1842.4,1822.5 r270 top
R179 "15K" R0402#1 1802.4,1823.4 r270 top
R180 "15K" R0402#1 1762.8,1823 r270 top
R181 "100Ω" R0402#1 1657.8,1822.5 r270 top
R182 "15K" R0402#1 1617.4,1822.5 r270 top
R183 "15K" R0402#1 1577.4,1822.5 r270 top
R184 "100Ω" R0402#1 1538.2,1823.4 r270 top
R185 "10K" R0402#1 1931.9,1446.5 r270 top
R186 "10K" R0402#1 1931.9,1337.5 r270 top
R187 "10K" R0402#1 1831.9,1486.7 r270 top
R188 "10K" R0402#1 1831.7,1386.9 r270 top
R189 "10K" R0402#1 1196.9,1435.9 r0 top
R190 "10K" R0402#1 1196.5,1355.9 r0 top
R191 "10K" R0402#1 1196.5,1315.9 r0 top
R192 "10K" R0402#1 791.9,1909.2 r0 top
R193 "10K" R0402#1 791.9,1869.6 r0 top
R194 "10K" R0402#1 791.9,1790.5 r0 top
R195 "10K" R0402#1 184,1571.3 r90 top
R196 "10K" R0402#1 103.6,1570.9 r90 top
R197 "10K" R0402#1 63.6,1570.5 r90 top
R198 "10K" R0402#1 182.8,1146.7 r90 top
R199 "10K" R0402#1 102.8,1146.7 r90 top
R200 "10K" R0402#1 62.8,1146.7 r90 top
R250 "100K" R0402#1 8006.9,813.8 r0 bottom
R251 "1K" R0402#1 8007.8,933 r0 bottom
R252 "2K" R0402#1 8007.8,973.8 r0 bottom
R253 "2K" R0402#1 8007.8,1013.8 r0 bottom
R254 "1K" R0402#1 8008.2,1053.4 r0 bottom
R255 "100Ω" R0402#1 7981.5,725.9 r90 bottom
R256 "10K" R0402#1 7903.2,757.5 r90 bottom
R257 "10K" R0402#1 7902.8,827.5 r90 bottom
R258 "1K" R0402#1 7828.2,733.8 r180 bottom
R259 "2K" R0402#1 7827.8,773.8 r180 bottom
R260 "2K" R0402#1 7828.6,813.8 r180 bottom
R261 "1K" R0402#1 7818.6,853.4 r180 bottom
R262 "1K" R0402#1 7819,933.8 r180 bottom
R263 "2K" R0402#1 7829,973.4 r180 bottom
R264 "2K" R0402#1 7829,1014.2 r180 bottom
R265 "1K" R0402#1 7829.9,1053.4 r180 bottom
R266 "10K" R0402#1 7471.9,593.4 r0 bottom
R267 "2.43K" R0402#1 7471.9,633.8 r0 bottom
R268 "10K" R0402#1 7472.4,674.2 r0 bottom
R269 "11.3K" R0402#1 7667.4,833 r90 bottom
R270 "18.7K" R0402#1 7663.2,903.4 r180 bottom
R271 "6.04K" R0402#1 7664,1064.2 r180 bottom
R272 "6.04K" R0402#1 7663.6,1103.8 r180 bottom
R273 "100Ω" R0402#1 7664.4,1144.6 r180 bottom
R274 "18.7K" R0402#1 7562.8,874.6 r270 bottom
R275 "11.3K" R0402#1 7562.8,944.2 r270 bottom
R276 "11.3K" R0402#1 7523.6,1045 r270 bottom
R277 "18.7K" R0402#1 7522.8,1114.6 r270 bottom
R278 "11.3K" R0402#1 7638.6,1229.6 r270 bottom
R279 "18.7K" R0402#1 7607.4,1268.8 r0 bottom
R280 "10K" R0402#1 7854,1422.5 r90 bottom
R281 "10K" R0402#1 7814,1423 r90 bottom
R282 "1K" R0402#1 7764,1422.5 r90 bottom
R283 "6.04K" R0402#1 7644.4,1428 r90 bottom
R284 "6.04K" R0402#1 7604.4,1427.5 r90 bottom
R285 "100Ω" R0402#1 7639.4,1498.4 r180 bottom
R286 "18.7K" R0402#1 7538.2,1234.2 r270 bottom
R287 "11.3K" R0402#1 7538.6,1304.6 r270 bottom
R288 "100K" R0402#1 7440.7,1289.6 r270 bottom
R289 "100Ω" R0402#1 7422.4,823.4 r0 bottom
R290 "6.04K" R0402#1 7421.9,864.2 r0 bottom
R291 "6.04K" R0402#1 7422.4,904.2 r0 bottom
R292 "18.7K" R0402#1 7423.2,1064.2 r0 bottom
R293 "11.3K" R0402#1 7413.6,1103 r90 bottom
R294 "10K" R0402#1 7368.6,594.2 r180 bottom
R295 "2.43K" R0402#1 7368.6,633.8 r180 bottom
R296 "10K" R0402#1 7363.6,673.8 r180 bottom
R297 "10K" R0402#1 7353.2,804.2 r180 bottom
R298 "10K" R0402#1 7233.6,594.2 r180 bottom
R299 "2.43K" R0402#1 7233.6,634.2 r180 bottom
R300 "10K" R0402#1 7233.6,674.2 r180 bottom
R301 "10K" R0402#1 7323.2,939.6 r270 bottom
R302 "1K" R0402#1 7223.6,799.2 r90 bottom
R303 "10K" R0402#1 7254.4,929.6 r180 bottom
R304 "0Ω" R0402#1 7071.1,810.5 r90 bottom
R305 "18.7K" R0402#1 7274,1038.8 r90 bottom
R306 "10K" R0402#1 7233.6,1039.2 r90 bottom
R307 "51.1K" R0402#1 7193.6,1038.4 r90 bottom
R308 "100Ω" R0402#1 7154,1038.8 r90 bottom
R309 "10K" R0402#1 7313.2,1113.8 r90 bottom
R310 "470K" R0402#1 7234.4,1114.2 r90 bottom
R311 "470K" R0402#1 7189.4,1158.8 r90 bottom
R312 "10K" R0402#1 7234,1228.4 r90 bottom
R313 "1K" R0402#1 7255.3,1305 r180 bottom
R314 "1K" R0402#1 7255.3,1383.8 r180 bottom
R315 "1K" R0402#1 7155.7,1229.6 r180 bottom
R316 "3.3K" R0402#1 7264.9,1454.6 r270 bottom
R317 "1K" R0402#1 7264.9,1525 r270 bottom
R318 "100Ω" R0402#1 7224.4,1525 r270 bottom
R319 "100K" R0402#1 7164.9,1350 r270 bottom
R320 "1K" R0402#1 7125.7,1340 r270 bottom
R321 "10K" R0402#1 7388.2,1484.6 r0 bottom
R322 "1K" R0402#1 7569.4,1708 r90 bottom
R323 "1K" R0402#1 7344.9,1708 r90 bottom
R324 "18.7K" R0402#1 7195.7,1708.4 r90 bottom
R325 "10K" R0402#1 7056.1,1344.2 r180 bottom
R326 "100Ω" R0402#1 7056.5,1464.2 r180 bottom
R327 "100K" R0402#1 7055.7,1535.5 r270 bottom
R328 "1K" R0402#1 6984.9,1509.6 r0 bottom
R329 "1K" R0402#1 7134.9,1603.4 r90 bottom
R330 "18.7K" R0402#1 7016.1,1588.4 r90 bottom
R331 "1K" R0402#1 7116.9,1738.8 r180 bottom
R332 "1K" R0402#1 7579.4,2008 r180 bottom
R333 "100K" R0402#1 7509,2038.4 r270 bottom
R334 "12.1K" R0402#1 7469.4,2038 r270 bottom
R335 "1K" R0402#1 7504,2111.7 r90 bottom
R336 "1K" R0402#1 7354.4,2007.5 r180 bottom
R337 "100K" R0402#1 7284.9,2038 r270 bottom
R338 "12.1K" R0402#1 7244.9,2038 r270 bottom
R339 "1K" R0402#1 7279.4,2143 r270 bottom
R340 "1K" R0402#1 7099.4,2008 r0 bottom
R341 "100K" R0402#1 7060.3,2008 r90 bottom
R342 "12.1K" R0402#1 7020.7,2006.7 r90 bottom
R343 "1K" R0402#1 7055.7,2111.7 r90 bottom
R344 "33Ω" R0402#1 6704.4,630 r180 bottom
R345 "33Ω" R0402#1 6704.9,680.9 r180 bottom
R346 "33Ω" R0402#1 6705.3,730.5 r180 bottom
R347 "33Ω" R0402#1 6373.4,725 r270 bottom
R348 "4.75K" R0402#1 6333.8,725.3 r270 bottom
R349 "4.75K" R0402#1 6413.2,899.6 r0 bottom
R350 "4.75K" R0402#1 6413.2,939.6 r0 bottom
R351 "4.75K" R0402#1 6413.4,980 r0 bottom
R352 "10K" R0402#1 6408.2,1060 r0 bottom
R353 "2K" R0402#1 6409.2,1170 r0 bottom
R354 "4.75K" R0402#1 6409,1210 r0 bottom
R355 "100Ω" R0402#1 6409.2,1249.6 r0 bottom
R356 "100Ω" R0402#1 6409.2,1290 r0 bottom
R357 "100Ω" R0402#1 6509.9,1404.6 r0 bottom
R358 "100Ω" R0402#1 6409.4,1449.8 r0 bottom
R359 "100Ω" R0402#1 6409.4,1485.7 r0 bottom
R360 "100Ω" R0402#1 6409,1565.5 r0 bottom
R361 "100Ω" R0402#1 6409.4,1604.6 r0 bottom
R362 "100Ω" R0402#1 6409.6,1684.2 r0 bottom
R363 "100Ω" R0402#1 6410.1,1724.6 r0 bottom
R364 "100Ω" R0402#1 6464.4,1764.6 r0 bottom
R365 "100Ω" R0402#1 6579.9,2107.5 r0 bottom
R366 "100Ω" R0402#1 6293.6,2079.2 r90 bottom
R367 "10K" R0402#1 6354.4,1808.4 r90 bottom
R368 "100Ω" R0402#1 6278.6,1808.8 r90 bottom
R369 "10K" R0402#1 6263.6,799.2 r90 bottom
R370 "4.75K" R0402#1 6223.6,799.2 r90 bottom
R371 "33Ω" R0402#1 6184,798.8 r90 bottom
R372 "33Ω" R0402#1 6143.2,798.8 r90 bottom
R373 "4.75K" R0402#1 6103.6,798.4 r90 bottom
R374 "10K" R0402#1 5974.9,798.8 r90 bottom
R375 "0Ω" R0402#1 5894.4,799.2 r90 bottom
R376 "4.75K" R0402#1 5774.9,798.8 r90 bottom
R377 "4.75K" R0402#1 6314,929.2 r90 bottom
R378 "10K" R0402#1 6178.6,928.8 r90 bottom
R379 "4.75K" R0402#1 6133.6,929.2 r90 bottom
R380 "4.75K" R0402#1 6089,928.8 r90 bottom
R381 "0Ω" R0402#1 5889.9,929.2 r90 bottom
R382 "0Ω" R0402#1 5850.3,928.8 r90 bottom
R383 "4.75K" R0402#1 5770.5,928.8 r90 bottom
R384 "4.75K" R0402#1 5695.3,799.6 r90 bottom
R385 "4.75K" R0402#1 5654.9,798.4 r90 bottom
R386 "4.75K" R0402#1 5615.3,798.8 r90 bottom
R387 "10K" R0402#1 6314.4,1000 r180 bottom
R388 "10K" R0402#1 6314.4,1040 r180 bottom
R389 "2K" R0402#1 6314.4,1160 r180 bottom
R390 "10K" R0402#1 6081.1,1715.3 r270 bottom
R391 "4.75K" R0402#1 6001.3,1714.8 r270 bottom
R392 "4.75K" R0402#1 5955.7,1685.5 r270 bottom
R393 "4.75K" R0402#1 5891.1,1685.5 r270 bottom
R394 "4.75K" R0402#1 5806.1,1695 r270 bottom
R395 "4.75K" R0402#1 5766.1,1695 r270 bottom
R396 "100Ω" R0402#1 6106.1,1839.2 r270 bottom
R397 "4.75K" R0402#1 5986.5,1839.2 r270 bottom
R398 "4.75K" R0402#1 5946.5,1839.2 r270 bottom
R399 "4.75K" R0402#1 5891.3,1839.4 r270 bottom
R400 "4.75K" R0402#1 5851.9,1839.2 r270 bottom
R401 "4.75K" R0402#1 5711.5,1744.6 r270 bottom
R402 "4.75K" R0402#1 5751.9,1839.6 r270 bottom
R403 "4.75K" R0402#1 5711.9,1839.6 r270 bottom
R404 "4.75K" R0402#1 5671.5,1839.2 r270 bottom
R405 "4.75K" R0402#1 5635.7,1659.6 r0 bottom
R406 "4.75K" R0402#1 5621.1,1751.3 r0 bottom
R407 "4.75K" R0402#1 5525.3,1555 r0 bottom
R408 "4.75K" R0402#1 5560.3,1614.2 r0 bottom
R409 "4.75K" R0402#1 5560.7,1654.2 r0 bottom
R410 "4.75K" R0402#1 5561.1,1694.2 r0 bottom
R411 "4.75K" R0402#1 5446.1,1818.8 r0 bottom
R412 "4.75K" R0402#1 5446.1,1858.4 r0 bottom
R413 "11.3K" R0402#1 5277.8,2037.5 r0 bottom
R414 "15K" R0402#1 5246.9,2117.5 r0 bottom
R415 "4.75K" R0402#1 5525.3,1098.8 r0 bottom
R416 "4.75K" R0402#1 5525.1,1195.3 r0 bottom
R417 "4.75K" R0402#1 5525.5,1234.4 r0 bottom
R418 "4.75K" R0402#1 5524.9,1314.4 r0 bottom
R419 "4.75K" R0402#1 5525.3,1354 r0 bottom
R420 "4.75K" R0402#1 5525.3,1395 r0 bottom
R421 "4.75K" R0402#1 5524.9,1434.6 r0 bottom
R422 "33Ω" R0402#1 5399.9,1017.3 r0 bottom
R423 "33Ω" R0402#1 5399.9,1055.3 r0 bottom
R424 "4.75K" R0402#1 5400.5,1097.1 r0 bottom
R425 "4.75K" R0402#1 5399.9,1195 r0 bottom
R426 "4.75K" R0402#1 5399.9,1235 r0 bottom
R427 "4.75K" R0402#1 5400.3,1314.6 r0 bottom
R428 "4.75K" R0402#1 5400.3,1354.4 r0 bottom
R429 "4.75K" R0402#1 5400.3,1394.6 r0 bottom
R430 "4.75K" R0402#1 5400.7,1515 r0 bottom
R431 "100Ω" R0402#1 5209.9,1245 r0 bottom
R432 "100Ω" R0402#1 5209.9,1350 r0 bottom
R433 "100Ω" R0402#1 5209.4,1399.6 r0 bottom
R434 "33Ω" R0402#1 5210.7,1449.2 r0 bottom
R435 "100Ω" R0402#1 5141.9,1000.9 r90 bottom
R436 "100Ω" R0402#1 5104,1000.9 r90 bottom
R437 "100Ω" R0402#1 5063.2,999.6 r90 bottom
R438 "100Ω" R0402#1 5025.7,1000.9 r90 bottom
R439 "100Ω" R0402#1 4986.9,1001.3 r90 bottom
R440 "100Ω" R0402#1 4946.9,999.6 r90 bottom
R441 "100Ω" R0402#1 4907.8,1000.9 r90 bottom
R442 "100Ω" R0402#1 4869.9,1001.3 r90 bottom
R443 "100Ω" R0402#1 4829.9,1000 r90 bottom
R444 "100Ω" R0402#1 4776.5,802.1 r90 bottom
R445 "100Ω" R0402#1 4769,1001.7 r90 bottom
R446 "100Ω" R0402#1 4730.3,1002.5 r90 bottom
R447 "100Ω" R0402#1 4693.6,1002.5 r90 bottom
R448 "100Ω" R0402#1 4598.6,1000.9 r90 bottom
R449 "100Ω" R0402#1 4559.9,1000 r90 bottom
R450 "33Ω" R0402#1 5096.9,1449.2 r180 bottom
R451 "4.75K" R0402#1 5097.4,1560 r180 bottom
R452 "4.75K" R0402#1 5097.4,1764.2 r180 bottom
R453 "100Ω" R0402#1 5098.2,1883.8 r180 bottom
R454 "4.75K" R0402#1 5109.4,2003.4 r180 bottom
R455 "4.75K" R0402#1 5108.6,2043.4 r180 bottom
R456 "1K" R0402#1 5099.4,2098.4 r180 bottom
R457 "10K" R0402#2 4612.4,1318.8 r270 bottom
R458 "100Ω" R0402#1 4366.1,807.5 r270 bottom
R459 "100Ω" R0402#1 4479.4,1031.3 r270 bottom
R460 "100Ω" R0402#1 4439.4,1031.7 r270 bottom
R461 "100Ω" R0402#1 4399.9,1031.3 r270 bottom
R462 "100Ω" R0402#1 4360.7,1031.7 r270 bottom
R463 "100Ω" R0402#1 4320.3,1031.3 r270 bottom
R464 "100Ω" R0402#1 4240.3,1030 r270 bottom
R465 "100Ω" R0402#1 4201.5,1030.5 r270 bottom
R466 "100Ω" R0402#1 4040.7,1030.5 r270 bottom
R467 "10K" R0402#3 4494,1240 r90 bottom
R468 "100Ω" R0402#1 4008.6,1328.4 r180 bottom
R469 "33Ω" R0402#1 4009.4,1365 r180 bottom
R470 "33Ω" R0402#1 4004.4,1403.4 r180 bottom
R471 "4.75K" R0402#1 3720.3,940.9 r180 bottom
R472 "4.75K" R0402#1 3721.1,980.9 r180 bottom
R473 "4.75K" R0402#1 3721.5,1019.6 r180 bottom
R474 "4.75K" R0402#1 3721.5,1058 r180 bottom
R475 "4.75K" R0402#1 3720.7,1098 r180 bottom
R476 "4.75K" R0402#1 3721.1,1138 r180 bottom
R477 "4.75K" R0402#1 3719,1178.4 r180 bottom
R478 "4.75K" R0402#1 3719,1216.7 r180 bottom
R479 "4.75K" R0402#1 3718.2,1255.5 r180 bottom
R480 "4.75K" R0402#1 3719,1293 r180 bottom
R481 "4.75K" R0402#1 3718.2,1332.1 r180 bottom
R482 "4.75K" R0402#1 3719,1371.3 r180 bottom
R483 "4.75K" R0402#1 3719,1410.5 r180 bottom
R484 "33Ω" R0402#1 3718.6,1474.2 r180 bottom
R485 "33Ω" R0402#1 3718.2,1512.1 r180 bottom
R486 "33Ω" R0402#1 3718.8,1550.9 r180 bottom
R487 "33Ω" R0402#1 3719,1590 r180 bottom
R488 "4.75K" R0402#1 3719.4,1704.6 r180 bottom
R489 "33Ω" R0402#1 3719.4,1743.8 r180 bottom
R490 "4.75K" R0402#1 3719.9,1785.5 r180 bottom
R491 "33Ω" R0402#1 3719.9,1822.5 r180 bottom
R492 "4.75K" R0402#1 3636.1,858 r270 bottom
R493 "4.75K" R0402#1 3558.2,826.3 r90 bottom
R494 "4.75K" R0402#1 3519.4,826.7 r90 bottom
R495 "4.75K" R0402#1 3592.8,950.5 r90 bottom
R496 "4.75K" R0402#1 3556.9,952.5 r90 bottom
R497 "4.75K" R0402#1 3516.9,952.1 r90 bottom
R498 "4.75K" R0402#1 3585.7,1023.8 r180 bottom
R499 "4.75K" R0402#1 3585.3,1063.4 r180 bottom
R500 "4.75K" R0402#1 3582.8,1155.5 r180 bottom
R501 "4.75K" R0402#1 3583.2,1251.7 r180 bottom
R502 "4.75K" R0402#1 3582.8,1290.9 r180 bottom
R503 "4.75K" R0402#1 3583.2,1329.6 r180 bottom
R504 "4.75K" R0402#1 3583.6,1368.8 r180 bottom
R505 "4.75K" R0402#1 3583.6,1406.7 r180 bottom
R506 "4.75K" R0402#1 3583.2,1443 r180 bottom
R507 "4.75K" R0402#1 3584,1479.6 r180 bottom